# Altium PCB Fri3d_2026_CVR_00.PcbDoc
Units mm, origin at the board's own origin, x right, y up, seen from the top; angles counter-clockwise.
Board outline 91.2 x 52.4 mm, 2 copper layers (Top Layer, Bottom Layer), stack 1.571 mm thick; 20 components, 23 nets, 99 pads, 19 vias.
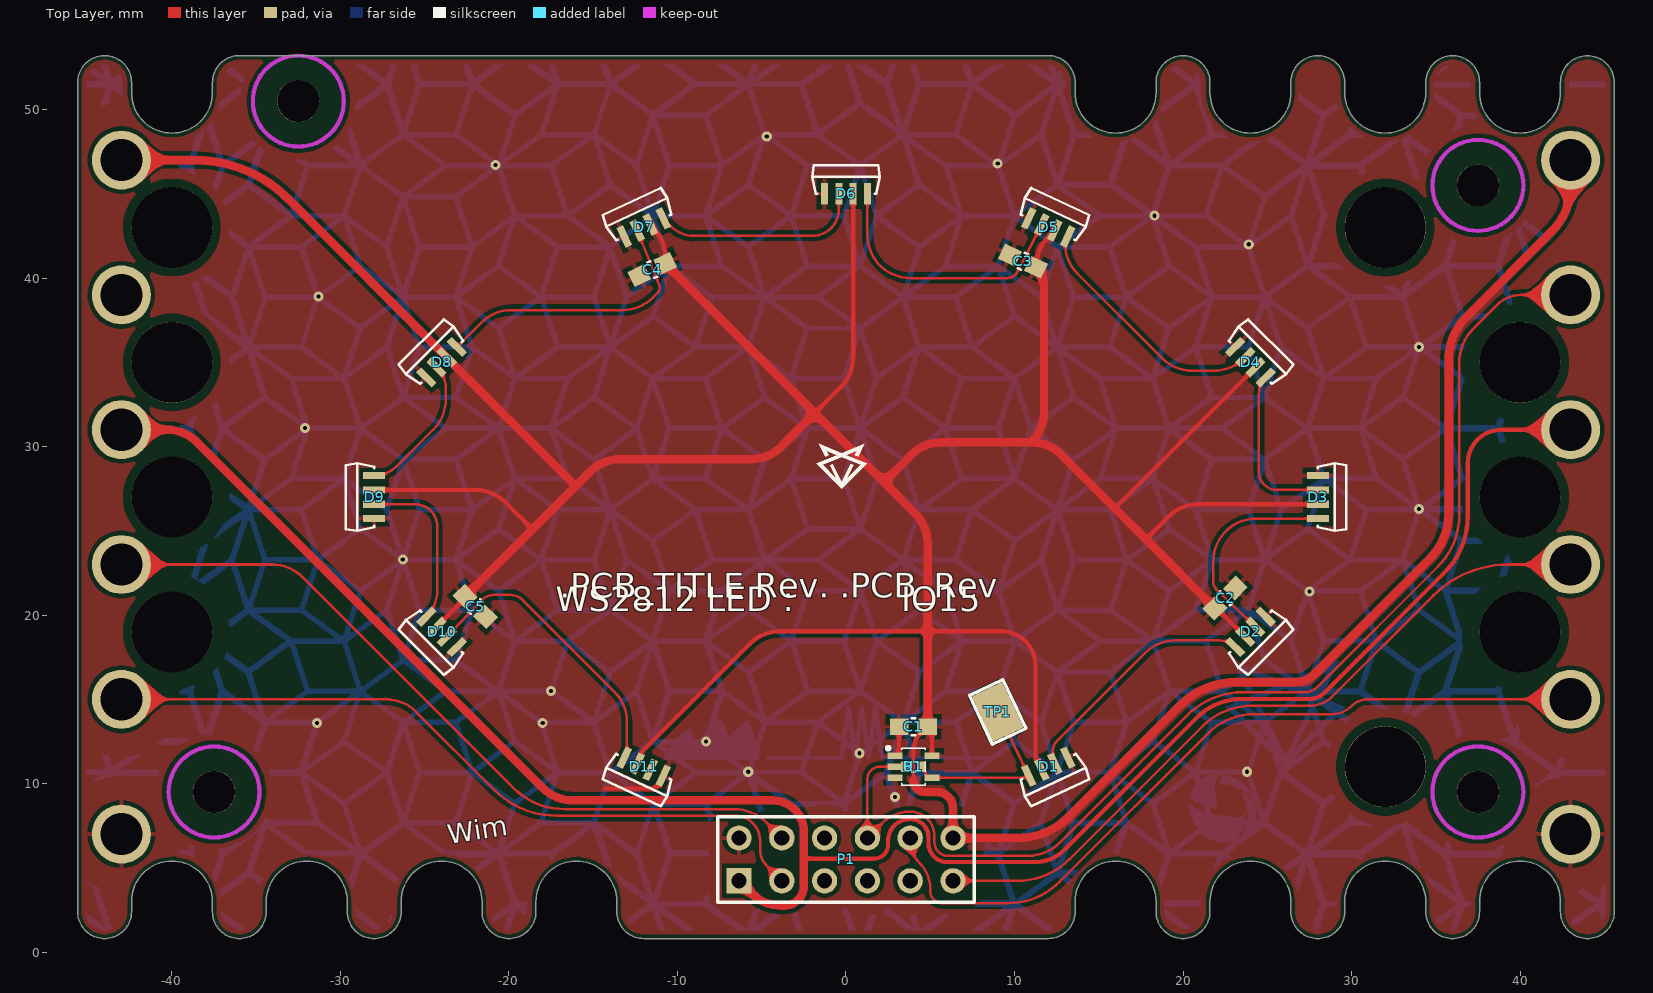
[diagram p0: Top Layer view]
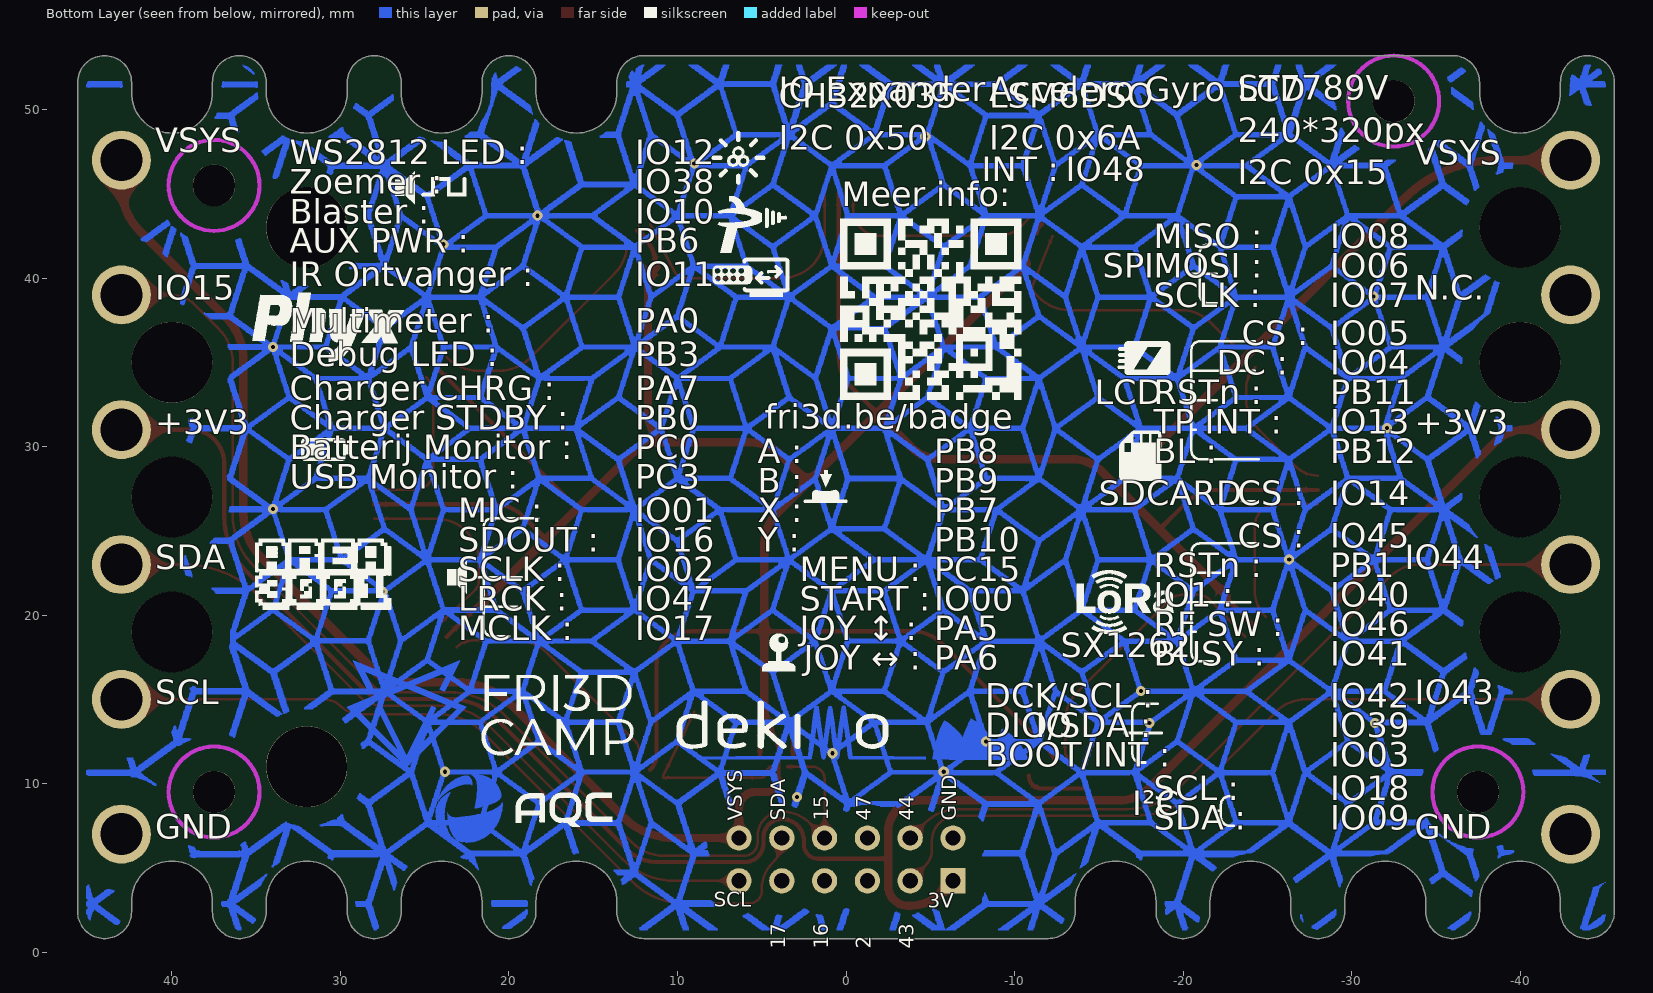
[diagram p1: Bottom Layer view, seen from below]

## Layer stack, top to bottom
Top Solder: solder mask 0.0102, Solder Resist, Dk 3.5
Top Layer: signal copper 0.0356
Dielectric1: core 1.5, FR-4, Dk 4.8
Bottom Layer: signal copper 0.0356
Bottom Solder: solder mask 0.0102, Solder Resist, Dk 3.5

## Board outline
-37.6,2.4 ccw(c-36,2.4) -34.4,2.4 -34.4,3 cw(c-32,3) -32,5.4 cw(c-32,3) -29.6,3 -29.6,2.4 ccw(c-28,2.4) -26.4,2.4 -26.4,3 cw(c-24,3) -24,5.4 cw(c-24,3) -21.6,3 -21.6,2.4 ccw(c-20,2.4) -18.4,2.4 -18.4,3 cw(c-16,3) -16,5.4 cw(c-16,3) -13.6,3 -13.6,2.4 ccw(c-12,2.4) -12,0.8 12,0.8 ccw(c12,2.4) 13.6,2.4 13.6,3 cw(c16,3) 16,5.4 cw(c16,3) 18.4,3 18.4,2.4 ccw(c20,2.4) 21.6,2.4 21.6,3 cw(c24,3) 24,5.4 cw(c24,3) 26.4,3 26.4,2.4 ccw(c28,2.4) 29.6,2.4 29.6,3 cw(c32,3) 32,5.4 cw(c32,3) 34.4,3 34.4,2.4 ccw(c36,2.4) 37.6,2.4 37.6,3 cw(c40,3) 40,5.4 cw(c40,3) 42.4,3 42.4,2.4 ccw(c44,2.4) 45.6,2.4 45.6,51.6 ccw(c44,51.6) 42.4,51.6 42.4,51 cw(c40,51) 40,48.6 cw(c40,51) 37.6,51 37.6,51.6 ccw(c36,51.6) 34.4,51.6 34.4,51 cw(c32,51) 32,48.6 cw(c32,51) 29.6,51 29.6,51.6 ccw(c28,51.6) 26.4,51.6 26.4,51 cw(c24,51) 24,48.6 cw(c24,51) 21.6,51 21.6,51.6 ccw(c20,51.6) 18.4,51.6 18.4,51 cw(c16,51) 16,48.6 cw(c16,51) 13.6,51 13.6,51.6 ccw(c12,51.6) 12,53.2 -36,53.2 ccw(c-36,51.6) -37.6,51.6 -37.6,51 cw(c-40,51) -40,48.6 cw(c-40,51) -42.4,51 -42.4,51.6 ccw(c-44,51.6) -45.6,51.6 -45.6,2.4 ccw(c-44,2.4) -42.4,2.4 -42.4,3 cw(c-40,3) -40,5.4 cw(c-40,3) -37.6,3

## Design rules (kind name [scope] priority, off if disabled: settings)
BoardOutlineClearance [NOT OnLayer('Top Overlay') AND NOT OnLayer('Bottom Overlay') AND NOT IsText AND NOT HasFootprint('MicroBIT_V2_PCB') AND NOT IsKeepOut] p1: gap=0.5 ignorepadtopadclearanceinfootprint=FALSE except(0: Arc-SplitContinuation Track-SplitContinuation SMDPad-SplitContinuation THPad-SplitContinuation Via-SplitContinuation Fill-SplitContinuation Poly-SplitContinuation Region-SplitContinuation Text-SplitContinuation; 0.15: SMDPad-OutlineEdge THPad-OutlineEdge; 0.25: Poly-OutlineEdge Region-OutlineEdge; 0.3: Arc-OutlineEdge Track-OutlineEdge; 0.4: Via-OutlineEdge)
Clearance [All] p1: gap=0.15 ignorepadtopadclearanceinfootprint=FALSE except(0.125: Region-Region; 0.25: Arc-Poly Track-Poly SMDPad-Poly THPad-Poly Via-Poly Fill-Poly Poly-Poly; 0.5: Arc-Hole Track-Hole SMDPad-Hole THPad-Hole Via-Hole Fill-Hole Poly-Hole Region-Hole Text-Hole)
ComponentClearance ComponentClearance_TP [HasFootprint('TP_2x3mm')] p1: gap=0 collisioncheckmode=3 verticalgap=0 showdistances=FALSE
ComponentClearance ComponentClearance_CO2 [InComponent('P5') OR InComponent('P8') OR InComponent('MOD2') vs InComponent('P5') OR InComponent('P8') OR InComponent('MOD2')] p2: gap=0 collisioncheckmode=3 verticalgap=0 showdistances=FALSE
ComponentClearance ComponentClearance_BAT [InComponent('P4')  OR InComponent('BAT1') OR InComponent('R27') vs InComponent('P4')  OR InComponent('BAT1') OR InComponent('R27')] p3: gap=0 collisioncheckmode=3 verticalgap=0 showdistances=FALSE
ComponentClearance ComponentClearance_R31-T5 [InComponent('R31') OR InComponent('T5') vs InComponent('R31') OR InComponent('T5')] p4: gap=0 collisioncheckmode=3 verticalgap=0 showdistances=FALSE
ComponentClearance "ComponentClearance_Selection resistors" [InComponent('R45') OR InComponent('R44') OR InComponent('R33') OR InComponent('R34') vs InComponent('R45') OR InComponent('R44') OR InComponent('R33') OR InComponent('R34')] p5: gap=0 collisioncheckmode=3 verticalgap=0 showdistances=FALSE
ComponentClearance ComponentClearance_T9-R4 [InComponent('R4') OR InComponent('T9') vs InComponent('R4') OR InComponent('T9')] p6: gap=0 collisioncheckmode=3 verticalgap=0 showdistances=FALSE
ComponentClearance ComponentClearance_IR [InComponent('D6') OR InComponent('D15') vs InComponent('D6') OR InComponent('D15')] p7: gap=0 collisioncheckmode=3 verticalgap=0 showdistances=FALSE
ComponentClearance [All] p8: gap=0.25 collisioncheckmode=3 verticalgap=0.25 showdistances=FALSE
DiffPairsRouting [All] p1: maxlimit=0.254 minlimit=0.2 mostfreqgap=0.2 toplayer_minwidth=0.25 toplayer_maxwidth=0.5 toplayer_prefwidth=0.25 bottomlayer_minwidth=0.25 bottomlayer_maxwidth=0.5 bottomlayer_prefwidth=0.25 maxuncoupledlength=12.7
HoleSize [All] p1: absolutevalues=TRUE maxlimit=20 minlimit=0.025 maxpercent=80.000 minpercent=20.000
PolygonConnect PolygonConnect_VIA [IsVia] p1: connectstyle=Direct reliefconductorwidth=0.254 reliefentries=4 polygonreliefangle="90 Angle" airgapwidth=0.254
PolygonConnect [All] p2: connectstyle=Relief reliefconductorwidth=0.254 reliefentries=4 polygonreliefangle="90 Angle" airgapwidth=0.254
RoutingVias [All] p1: holewidth=0.3 width=0.7 viastyle="Through Hole" minholewidth=0.3 minwidth=0.2 maxholewidth=0.6 maxwidth=1.2
SilkToSolderMaskClearance SilkscreenOverComponentPads [IsPad] p1: minsilkscreentomaskgap=0.254 clearancetoexposedcopper=TRUE
SolderMaskExpansion [All] p1: expansion=0.05 istentingtop=FALSE
SupplyNets "Schematic Supply Nets_2" [InNet('GND')] p1: voltage=0.000
SupplyNets "Schematic Supply Nets_1" [InNet('VSYS')] p2: voltage=0.000
SupplyNets "Schematic Supply Nets" [InNet('3V3_AUX')] p3: voltage=0.000
Width [All] p1: maxlimit=5 minlimit=0.15 preferedwidth=0.25
26 further rules are at their usual default settings.

## Components (designator, comment, footprint, x,y, rotation, side; value= is the part's Value field where it differs from the comment)
C1 "" C0603_N 4,13.369 r180 top value="100nF 16V"
C2 "CAP_CERAMIC" C0603_N 22.5,21 r45 top value="1uF 16V"
C3 "CAP_CERAMIC" C0603_N 10.5,41 r155 top value="1uF 16V"
C4 "CAP_CERAMIC" C0603_N -11.5,40.5 r205 top value="1uF 16V"
C5 "CAP_CERAMIC" C0603_N -22,20.5 r315 top value="1uF 16V"
D1 "WS2812 based digital RGB LED 4020 White package Side emitting" LED_4020_WS2812B_WHITE 12,11 r295 top value="WS218B 4020 WH RA"
D2 "WS2812 based digital RGB LED 4020 White package Side emitting" LED_4020_WS2812B_WHITE 24,19 r315 top value="WS218B 4020 WH RA"
D3 "WS2812 based digital RGB LED 4020 White package Side emitting" LED_4020_WS2812B_WHITE 28,27 r0 top value="WS218B 4020 WH RA"
D4 "WS2812 based digital RGB LED 4020 White package Side emitting" LED_4020_WS2812B_WHITE 24,35 r45 top value="WS218B 4020 WH RA"
D5 "WS2812 based digital RGB LED 4020 White package Side emitting" LED_4020_WS2812B_WHITE 12,43 r65 top value="WS218B 4020 WH RA"
D6 "WS2812 based digital RGB LED 4020 White package Side emitting" LED_4020_WS2812B_WHITE 0,45 r90 top value="WS218B 4020 WH RA"
D7 "WS2812 based digital RGB LED 4020 White package Side emitting" LED_4020_WS2812B_WHITE -12,43 r115 top value="WS218B 4020 WH RA"
D8 "WS2812 based digital RGB LED 4020 White package Side emitting" LED_4020_WS2812B_WHITE -24,35 r135 top value="WS218B 4020 WH RA"
D9 "WS2812 based digital RGB LED 4020 White package Side emitting" LED_4020_WS2812B_WHITE -28,27 r180 top value="WS218B 4020 WH RA"
D10 "WS2812 based digital RGB LED 4020 White package Side emitting" LED_4020_WS2812B_WHITE -24,19 r225 top value="WS218B 4020 WH RA"
D11 "WS2812 based digital RGB LED 4020 White package Side emitting" LED_4020_WS2812B_WHITE -12,11 r245 top value="WS218B 4020 WH RA"
P1 "Header 6X2" HDR2X6 -6.35,4.23 r0 top locked
R1 "RESISTOR" R0402 4,11 r180 top value=0R
TP1 "TEST_PAD" TP_2x3mm 9,14.25 r295 top value="NO BOM"
U1 "SN74AHCT1G125DCKR  Buffer, Tri-State, 4.5V to 5.5V" TI_DCK_R-PDSO-G5 4,11 r270 top value=SN74AHCT1G125DCKR

## Footprints (in the part's own frame and the unit in brackets; to place one, negate y for a bottom-side part, rotate by r counter-clockwise, add the part's x,y. Pads: shape width x height; smd on the part's side, far side on the other; paste and mask are expansions set on the pad)
C0603_N [mm] "Low density"
  rect 1.1x1 smd: 1(-0.85,0) 2(0.85,0)
  silkscreen extent -0.1,-0.5 0.1,0.5, body extent -0.8,-0.4 0.8,0.4, height 0.3
HDR2X6 [mm] "Connector; Header; 6x2 Position"
  rect 1.5x1.5 hole 0.9: 1(0,0)
  round 1.5 hole 0.9: 2(0,2.54) 3(2.54,0) 4(2.54,2.54) 5(5.08,0) 6(5.08,2.54) 7(7.62,0) 8(7.62,2.54) 9(10.16,0) 10(10.16,2.54) 11(12.7,0) 12(12.7,2.54)
  silkscreen extent -1.27,-1.27 13.97,3.81, body extent -1.27,-1.27 13.97,3.81, height 8.5
LED_4020_WS2812B_WHITE [mm] "4020 RGB LED WS2812B WHITE"
  rect 1.3x0.42 smd: 1(0,-1.275) 2(0,-0.425) 3(0,0.425) 4(0,1.275)
  silkscreen extent 0,-2 1.7,2, body extent -0.11,-2 1.7,2, height 2.1
R0402 [mm] "Low density"
  rect 0.5x0.6 smd: 1(-0.5,0) 2(0.5,0)
  silkscreen extent -0.1,-0.3 0.1,0.3, body extent -0.5,-0.25 0.5,0.25, height 0.35
TI_DCK_R-PDSO-G5 [mm] "TI-DCK-R-PDSO-G5"
  rect 0.4x0.9 smd: 1(-0.65,-1.1) 2(0,-1.1) 3(0.65,-1.1) 4(0.65,1.1) 5(-0.65,1.1)
  silkscreen extent -1.2,-1.6 1.1,0.7, body extent -1,-1.05 1,1.05, height 0.95
TP_2x3mm [mm] "2 x 3 mm pad"
  rrect10% 3x2 smd mask+0.03: 1(0,0)
  silkscreen extent -1.6,-1.1 1.6,1.1

## Part data
C1: library part "CAP # 100nF 16V 0603", "Capacitor Ceramic"
C2 C3 C4 C5: library part "CAP # 1uF 16V 0603", "Capacitor Ceramic", Supplier Part Number 1=2320814, Supplier 1=Farnell
D1 D2 D3 D4 D5 D6 D7 D8 D9 D10 D11: library part "LED # RGB WS2812B-4020 WH RA", "=Description", Supplier Part Number 1=C965557, Supplier 1=LCSC
P1: library part "Pin Header 2.54mm dual row 12way"
R1: library part "RES # 0R 0402", Supplier Part Number 1=2447743, Supplier 1=Farnell, Supplier 2=LCSC, Supplier 3=Generic, Supplier Part Number 2="C95177 / C15402", Supplier Part Number 3="0R 1% 0603"
TP1: library part "TP # 2x3mm", Supplier Part Number 1="FOOTPRINT ONLY", Supplier 1=XXX
U1: library part "BUF # 1 SN74AHCT1G125DCKR", "=Description", Supplier Part Number 1=C151417, Supplier 1=LCSC, Supplier 2=LCSC, Supplier Part Number 2=C350557

## Free pads (board coordinates)
  round 4.8 hole 4.8 unplated: 0(-40,19) 0(-40,27) 0(-40,35) 0(-40,43) 0(32,11) 0(32,43) 0(40,19) 0(40,27) 0(40,35)
  round 2.5 hole 2.5 unplated: 0(-37.5,9.5) 0(-32.5,50.5) 0(37.5,9.5) 0(37.5,45.5)
  round 3.5 hole 2.5: 1(-43,7) 1(-43,15) 1(-43,23) 1(-43,31) 1(-43,39) 1(-43,47) 1(43,7) 1(43,15) 1(43,23) 1(43,31) 1(43,39) 1(43,47)

## Via types
v1: diameter 0.6, hole 0.25, Top Layer to Bottom Layer, tented bottom, 19 vias

## Nets (pads, with @x,y where several pads share a name; then routed paths per layer and width w, separated by ;. In a path a pad name is that pad's centre, name@x,y a point inside that pad or via, vN(x,y) a via of type N, cw(c..) or ccw(c..) an arc to the next point about the centre after c; other vN are vias at no path point)
3V3_AUX: P1.1 pad.1@43,31 pad.1@-43,31 | length 120.7
  Top Layer w0.25: -2.5,5.542 1.658,5.542 ccw(c1.658,6.384) 2.5,6.384 2.5,6.6 cw(c3.8,6.6) 3.8,7.9 cw(c3.8,6.8) 4.9,6.8 4.9,6.45 ccw(c6.013,6.45) 6.013,5.337 11.185,5.337 ccw(c11.185,7.877) 12.981,6.081 20.79,13.89 cw(c23.516,11.163) 23.516,15.019 27.498,15.019 ccw(c27.498,16.276) 28.387,15.387 35.52,22.52 ccw(c32.189,25.851) 36.9,25.851 36.9,29 cw(c38.9,29) 38.9,31 pad.1@43,31
  Top Layer w0.5: pad.1@-43,31 -40.302,31 cw(c-40.302,28.46) -38.506,30.256 -17.994,9.744 ccw(c-16.198,11.54) -16.198,9 -4.344,9 cw(c-4.344,7.156) -2.5,7.156 -2.5,5.542 -2.5,3.928 cw(c-3.678,3.928) -3.678,2.75 -3.818,2.75 cw(c-3.818,5.29) -5.614,3.494 P1.1
ESP.IO2: P1.5
ESP.IO15: P1.8 pad.1@43,39 R1.2 U1.2 | length 70.2
  Top Layer w0.15: R1.2 U1.2 2,11 ccw(c2,10.27) 1.27,10.27 P1.8 2.152,7.652 cw(c3.8,6.005) 3.8,8.335 cw(c3.8,6.885) 5.25,6.885 5.25,6.5 ccw(c6.036,6.5) 6.036,5.714 10.812,5.714 ccw(c10.812,8.374) 12.693,6.493 20.243,14.043 cw(c23.565,10.72) 23.565,15.419 27.232,15.419 ccw(c27.232,16.473) 27.978,15.728 35.116,22.866 ccw(c32.034,25.948) 36.393,25.948 36.393,34.961 cw(c39.285,34.961) 37.24,37.007 38.655,38.421 cw(c40.052,37.024) 40.052,39 pad.1@43,39
ESP.IO16: P1.7
ESP.IO17: P1.9
ESP.IO43: P1.3 pad.1@-43,15 | length 44.1
  Top Layer w0.15: pad.1@-43,15 -27.302,15 cw(c-27.302,12.46) -25.506,14.256 -20.874,9.624 ccw(c-17.195,13.303) -17.195,8.1 -6.6,8.1 cw(c-6.6,6.6) -5.1,6.6 -5.1,6.1 ccw(c-3.7,6.1) -4.69,5.11 ; -4.69,5.11 P1.3
ESP.IO44: P1.4 pad.1@-43,23 | length 45.5
  Top Layer w0.15: pad.1@-43,23 -34.052,23 cw(c-34.052,20.46) -32.256,22.256 -19.744,9.744 ccw(c-16.703,12.785) -16.703,8.484 -6.647,8.484 cw(c-6.647,5.774) -4.73,7.69 P1.4
ESP.IO47: P1.6
GND: C1.2 C2.2 C3.2 C4.2 C5.2 D1.4 D2.4 D3.4 D4.4 D5.4 D6.4 D7.4 D8.4 D9.4 D10.4 D11.4 P1.2 pad.1@43,7 pad.1@-43,7 U1.1 U1.3 | length 5.6
  Top Layer w0.25: -14.3,9.7 -11.606,9.7 ccw(c-11.606,10.461) D11.4 ; U1.1@3.15,11.65 C1.2
  other v1: 2.9,9.2 -5.8,10.7 23.8,10.7 0.8,11.8 -8.3,12.5 -31.4,13.6 -18,13.6 -17.5,15.5 27.5,21.4 -26.3,23.3 34,26.3 -32.1,31.1 34,35.9 -31.3,38.9 23.9,42 18.3,43.7 -20.8,46.7 9,46.8 -4.7,48.4
I2C.SCL: P1.11 pad.1@43,23 | length 43.7
  Top Layer w0.15: P1.11 10.178,4.23 ccw(c10.178,8.597) 13.266,5.509 21.159,13.402 cw(c24.097,10.464) 24.097,14.619 27.557,14.619 ccw(c27.557,16.459) 28.858,15.158 34.86,21.16 cw(c39.302,16.718) 39.302,23 pad.1@43,23
I2C.SDA: P1.10 pad.1@43,15 | length 46.4
  Top Layer w0.15: P1.10 3.81,6.604 ccw(c5.654,6.604) 4.35,5.3 cw(c2.781,3.731) 5,3.731 5,3.616 ccw(c5.716,3.616) 5.716,2.9 9.598,2.9 ccw(c9.598,7.267) 12.686,4.179 21.489,12.982 cw(c24.233,10.239) 24.233,14.119 28.839,14.119 ccw(c28.839,15.761) 30,14.6 cw(c30.966,13.634) 30.966,15 pad.1@43,15
LED.D: D1.1 R1.1 TP1.1 U1.4 | length 11
  Top Layer w0.15: R1.1 4.629,10.871 cw(c4.459,10.7) 4.7,10.7 ccw(c5.05,10.7) 5.05,10.35 U1.4 10.844,10.35 D1.1 TP1.1
NetD1_3: D1.3 D2.1 | length 14.5
  Top Layer w0.15: D1.3 12.283,11.282 12.283,11.975 cw(c13.025,11.975) 12.5,12.5 17.756,17.756 cw(c19.552,15.96) 19.552,18.5 22.129,18.5 cw(c22.129,17.129) D2.1
NetD2_3: D2.3 D3.1 | length 12.6
  Top Layer w0.15: D2.3 22,21.495 cw(c22.483,21.978) 21.8,21.978 21.8,23.185 cw(c24.34,23.185) 24.34,25.725 D3.1
NetD3_3: D3.3 D4.1 | length 9.8
  Top Layer w0.15: D4.1 ccw(c25.871,33.129) 24.5,33.129 24.5,28.5 ccw(c25.575,28.5) 25.575,27.425 D3.3
NetD4_3: D4.3 D5.1 | length 14.9
  Top Layer w0.15: D5.1 ccw(c13.531,42.086) 13,42.086 13,42.052 ccw(c15.54,42.052) 13.744,40.256 18.756,35.244 ccw(c20.552,37.04) 20.552,34.5 21.847,34.5 ccw(c21.847,37.04) 23.643,35.244 D4.3
NetD5_3: D5.3 D6.1 | length 16.1
  Top Layer w0.15: D6.1 1.275,42.54 ccw(c3.815,42.54) 3.815,40 9.6,40 ccw(c9.6,40.591) 10.018,40.173 10.1,40.255 10.6,41.2 D5.3
NetD6_3: D6.3 D7.1 | length 12.6
  Top Layer w0.15: D7.1 -10.375,43.07 ccw(c-9,44.445) -9,42.5 -2,42.5 ccw(c-2,44.075) -0.425,44.075 D6.3
NetD7_3: D7.3 D8.1 | length 16.7
  Top Layer w0.15: D8.1 -21.644,37.356 cw(c-19.848,35.56) -19.848,38.1 -13.252,38.1 ccw(c-13.252,40.64) -11.456,38.844 -11.2,39.1 ccw(c-11.574,39.474) -11.045,39.474 -11.045,39.5 -11.3,40.1 D7.3@-12.254,42.492
NetD8_3: D8.3 D9.1 | length 8.6
  Top Layer w0.15: D9.1 ccw(c-28,30.146) -26.677,28.823 -24.494,31.006 ccw(c-26.29,32.802) -23.75,32.802 -23.75,33.5 ccw(c-25.317,33.5) -24.209,34.608 D8.3
NetD9_3: D9.3 D10.1 | length 10
  Top Layer w0.15: D9.3 -25.575,26.575 cw(c-25.575,25.25) -24.25,25.25 -24.25,21.475 cw(c-26.475,21.475) D10.1
NetD10_3: D10.3 D11.1 | length 17.5
  Top Layer w0.15: D10.3 -21.6,20.9 -21.583,20.917 cw(c-20.9,20.234) -20.9,21.2 -19.924,21.2 cw(c-19.924,20.176) -19.2,20.9 -13.744,15.444 cw(c-15.54,13.648) -13,13.648 -13,11.914 cw(c-13.531,11.914) D11.1
VSYS: C1.1 C2.1 C3.1 C4.1 C5.1 D1.2 D2.2 D3.2 D4.2 D5.2 D6.2 D7.2 D8.2 D9.2 D10.2 D11.2 P1.12 pad.1@43,47 pad.1@-43,47 U1.5 | length 291.9
  Top Layer w0.2: 4,10.172 4,11.878
  Top Layer w0.25: D9.2 -22.001,27.425 cw(c-22.001,24.885) -20.205,26.681 -18.613,25.089 ; D10.2 -22.601,21 C5.1 ; -16.078,27.679 ccw(c-16.039,27.718) -16.039,27.663 ; D11.2 cw(c-11.335,11.18) -12.077,11.923 -5.699,18.301 cw(c-3.903,16.505) -3.903,19.045 4.85,19.045 9.205,19.045 cw(c9.205,17) 11.25,17 11.25,11.701 ccw(c12.496,11.701) D1.2 ; D7.2 -11.474,43.038 cw(c-13.27,41.242) -10.73,41.242 C4.1 ; -1.853,31.983 -0.319,33.516 ccw(c-2.115,35.312) 0.425,35.312 D6.2 ; 4,11.878 cw(c5.884,11.878) 4.633,13.286 C1.1 5.1,13.119 U1.5 ; C3.1 11.27,40.654 cw(c13.81,40.654) 12.014,42.45 D5.2 ; 15.908,26.39 ccw(c15.908,26.592) 16.051,26.449 D4.2 ; 17.799,24.499 19.131,25.831 cw(c20.927,24.035) 20.927,26.575 D3.2 ; C2.1 cw(c21.899,20.155) 22.072,20.327 D2.2
  Top Layer w0.5: pad.1@-43,47 -38.677,47 cw(c-38.677,39.086) -33.081,44.682 D8.2 -16.078,27.679 ; C5.1 -18.613,25.089 -16.039,27.663 -15.196,28.506 cw(c-13.4,26.71) -13.4,29.25 -5.637,29.25 ccw(c-5.637,31.79) -3.841,29.994 -1.853,31.983 ; C4.1 -1.853,31.983 ; 4,10.172 ccw(c4.672,10.172) 4.672,9.5 5.4,9.5 cw(c5.4,8.55) 6.35,8.55 P1.12 10.218,6.77 ccw(c10.218,11) 13.209,8.009 19.851,14.651 cw(c23.154,11.348) 23.154,16.019 26.657,16.019 ccw(c26.657,17.618) 27.787,16.487 34.65,23.35 ccw(c31.965,26.034) 35.761,26.034 35.761,35.139 cw(c39.38,35.139) 36.821,37.698 41.886,42.762 ccw(c39.196,45.452) 43,45.452 pad.1@43,47 ; C1.1 4.85,19.045 4.85,24.228 ccw(c2.31,24.228) 4.106,26.024 2.25,27.88 ; C3.1 cw(c10.113,39.483) 11.75,39.483 11.75,32.056 cw(c9.21,32.056) 11.006,30.26 10.996,30.25 ; C2.1 17.799,24.499 15.908,26.39 12.792,29.506 ccw(c10.996,27.71) 10.996,30.25 ; -1.853,31.983 2.25,27.88 ; 2.25,27.88 3.877,29.506 cw(c5.673,27.71) 5.673,30.25 10.996,30.25
pads on no net: D11.3

## Polygon pours and split planes (outlines as drawn)
VSYS on Top Layer "NONET_L-01_P-001" (solid, remove dead copper, pour order 5): -45.6,53.2 -45.6,0.75 45.6,0.75 45.6,53.2
GND on Top Layer "NONET_L-01_P-001" (solid, remove dead copper, pour order 2): -45.6,53.2 -45.6,0.75 45.6,0.75 45.6,53.2

## Keep-outs
Keep-Out Layer:
  circle w0.25: c37.5,9.5 r2.7
  circle w0.25: c37.5,45.5 r2.7
  circle w0.25: c-32.5,50.5 r2.7
  circle w0.25: c-37.5,9.5 r2.7
  text ".Layer_Name" at 184.902,-39.311 h3.5

## Other copper
Top Layer:
  text ".Layer_Name" at 184.902,-39.311 h3.5
Bottom Layer:
  drawing of 43 lines, arcs and shapes, not listed
  text ".Layer_Name" at 184.902,-39.311 h3.5

## Silkscreen, mask and mechanical layers (free items; w line width, h text height)
Top Overlay:
  region: -1.611,30.156 -1.233,29.395 -1.04,29.472 -1.034,29.488 -1.166,29.754 -0.545,29.498 -1.738,29.007 -1.741,28.991 -0.259,27.509 1.224,28.991 1.22,29.007 0.029,29.495 0.651,29.751 0.519,29.485 0.525,29.47 0.717,29.392 1.098,30.156 1.087,30.168 -0.257,29.614 -1.6,30.168 hole: -0.257,29.379 0.848,28.924 0.116,28.192 0.465,28.89 0.459,28.905 0.267,28.983 -0.257,27.936 -0.78,28.983 -0.97,28.903 -0.976,28.888 -0.627,28.19 -1.361,28.924
  text ".PCB_TITLE Rev. .PCB_Rev" at -16.999,20.537 h2.5 r0.02
  text "WS2812 LED :" at -17.226,19.727 h2.5
  text "IO15" at 3.274,19.727 h2.5
  text "Wim" at -23.5,6 h2 r9
  text ".Layer_Name" at 184.902,-39.311 h3.5
Bottom Overlay:
  drawing of 166 lines, arcs and shapes, not listed
  text "LCD" at -23.25,50 h2.5
  text "Accelero Gyro" at -8.5,50 h2.5
  text "IO Expander" at 4,50 h2.5
  text "LSM6DSO / I2C 0x6A" at -8.5,47.112 h2.5
  text "CH32X035 / I2C 0x50" at 4,47.112 h2.5
  text "VSYS" at 41,46.965 h2.5
  text "IO12" at 12.5,46.24 h2.5
  text "WS2812 LED :" at 33,46.24 h2.5
  text "VSYS" at -33.75,46.215 h2.5
  text "IO48" at -13.05,45.25 h2.5
  text "INT :" at -8.05,45.25 h2.5
  text "ST7789V / 240*320px / I2C 0x15" at -23.25,45.067 h2.5
  text "IO38" at 12.5,44.491 h2.5
  text "Zoemer :" at 33,44.491 h2.5
  text "Meer info:" at 0.25,43.75 h2.5
  text "IO10" at 12.5,42.708 h2.5
  text "Blaster :" at 33,42.708 h2.5
  text "IO08" at -28.75,41.25 h2.5
  text "MISO :" at -18.25,41.25 h2.5
  text "PB6" at 12.5,41 h2.5
  text "AUX PWR :" at 33,41 h2.5
  text "IO06" at -28.75,39.5 h2.5
  text "MOSI :" at -18.25,39.5 h2.5
  text "SPI" at -15.25,39.5 h2.5
  text "IO11" at 12.5,39 h2.5
  text "IR Ontvanger :" at 33,39 h2.5
  text "N.C." at -33.75,38.215 h2.5
  text "IO15" at 41,38.215 h2.5
  text "IO07" at -28.75,37.75 h2.5
  text "SCLK :" at -18.25,37.75 h2.5
  text "PA0" at 12.5,36.25 h2.5
  text "Multimeter :" at 33,36.25 h2.5
  text "IO05" at -28.75,35.5 h2.5
  text "CS :" at -23.5,35.5 h2.5
  text "PB3" at 12.5,34.25 h2.5
  text "Debug LED :" at 33,34.25 h2.5
  text "IO04" at -28.75,33.75 h2.5
  text "DC :" at -22,33.75 h2.5
  text "PA7" at 12.5,32.25 h2.5
  text "Charger CHRG :" at 33,32.25 h2.5
  text "PB11" at -28.75,32 h2.5
  text "RSTn :" at -18.25,32 h2.5
  text "LCD" at -14.75,32 h2.5
  text "fri3d.be/badge" at 4.818,30.559 h2.5
  text "PB0" at 12.5,30.5 h2.5
  text "Charger STDBY :" at 33,30.5 h2.5
  text "IO13" at -28.75,30.25 h2.5
  text "TP INT :" at -18.25,30.25 h2.5
  text "+3V3" at -33.75,30.215 h2.5
  text "+3V3" at 41,30.215 h2.5
  text "PC0" at 12.5,28.75 h2.5
  text "Batterij Monitor :" at 33,28.75 h2.5
  text "PB12" at -28.75,28.5 h2.5
  text "BL :" at -18.25,28.5 h2.5
  text "PB8" at -5.25,28.5 h2.5
  text "A :" at 5.25,28.5 h2.5
  text "PC3" at 12.5,27 h2.5
  text "USB Monitor :" at 33,27 h2.5
  text "PB9" at -5.25,26.75 h2.5
  text "B :" at 5.25,26.75 h2.5
  text "IO14" at -28.75,26 h2.5
  text "CS :" at -23.25,26 h2.5
  text "SDCARD" at -15,26 h2.5
  text "PB7" at -5.25,25 h2.5
  text "X :" at 5.25,25 h2.5
  text "IO01" at 12.5,25 h2.5
  text "MIC :" at 23,25 h2.5
  text "IO45" at -28.75,23.5 h2.5
  text "CS :" at -23.25,23.5 h2.5
  text "PB10" at -5.25,23.25 h2.5
  text "Y :" at 5.25,23.25 h2.5
  text "IO16" at 12.5,23.25 h2.5
  text "SDOUT :" at 23,23.25 h2.5
  text "IO44" at -33.155,22.215 h2.5
  text "SDA" at 41,22.215 h2.5
  text "PB1" at -28.75,21.75 h2.5
  text "RSTn :" at -18.25,21.75 h2.5
  text "PC15" at -5.25,21.5 h2.5
  text "MENU :" at 2.75,21.5 h2.5
  text "IO02" at 12.5,21.5 h2.5
  text "SCLK :" at 23,21.5 h2.5
  text "IO40" at -28.75,20 h2.5
  text "IO1 :" at -18.25,20 h2.5
  text "IO00" at -5.25,19.75 h2.5
  text "START :" at 2.75,19.75 h2.5
  text "IO47" at 12.5,19.75 h2.5
  text "LRCK :" at 23,19.75 h2.5
  text "IO46" at -28.75,18.25 h2.5
  text "RF SW :" at -18.25,18.25 h2.5
  text "PA5" at -5.25,18 h2.5
  text "JOY ↕ :" at 2.75,18 h2.5
  text "IO17" at 12.5,18 h2.5
  text "MCLK :" at 23,18 h2.5
  text "SX1262" at -12.75,17 h2.5
  text "IO41" at -28.75,16.5 h2.5
  text "BUSY :" at -18.25,16.5 h2.5
  text "PA6" at -5.25,16.25 h2.5
  text "JOY ↔ :" at 2.5,16.25 h2.5
  text "IO43" at -33.75,14.215 h2.5
  text "SCL" at 41,14.215 h2.5
  text "IO42" at -28.75,14 h2.5
  text "DCK/SCL :" at -8.25,14 h2.5
  text "IO39" at -28.75,12.25 h2.5
  text "IO" at -11.25,12.25 h2.5
  text "DIO/SDA :" at -8.25,12.25 h2.5
  text "IO03" at -28.75,10.5 h2.5
  text "BOOT/INT :" at -8.25,10.5 h2.5
  text "IO18" at -28.75,8.5 h2.5
  text "SCL :" at -18.25,8.5 h2.5
  text "GND" at -6.85,7.79 h1.5 r270
  text "44" at -4.31,7.79 h1.5 r270
  text "47" at -1.77,7.79 h1.5 r270
  text "15" at 0.77,7.79 h1.5 r270
  text "SDA" at 3.31,7.79 h1.5 r270
  text "VSYS" at 5.85,7.79 h1.5 r270
  text "I²C" at -17,7.625 h2.5
  text "IO09" at -28.75,6.75 h2.5
  text "SDA :" at -18.25,6.75 h2.5
  text "GND" at -33.75,6.215 h2.5
  text "GND" at 41,6.215 h2.5
  text "SCL" at 7.85,2.38 h1.5
  text "3V" at -4.85,2.33 h1.5
  text "43" at -4.31,0.21 h1.5 r270
  text "2" at -1.77,0.21 h1.5 r270
  text "16" at 0.77,0.21 h1.5 r270
  text "17" at 3.31,0.21 h1.5 r270
  text ".Layer_Name" at 184.902,-39.311 h3.5
Top Paste:
  text ".Layer_Name" at 184.902,-39.311 h3.5
Bottom Paste:
  text ".Layer_Name" at 184.902,-39.311 h3.5
Top Solder:
  text ".Layer_Name" at 184.902,-39.311 h3.5
Bottom Solder:
  text ".Layer_Name" at 184.902,-39.311 h3.5
Drill Guide:
  text ".Layer_Name" at 184.902,-39.311 h3.5
Mechanical 1:
  circle w0.1: c37.5,45.5 r3
  circle w0.1: c1.27,4.23 r1.5
  circle w0.1: c3.81,4.23 r1.5
  circle w0.1: c6.35,4.23 r1.5
  circle w0.1: c6.35,6.77 r1.5
  circle w0.1: c3.81,6.77 r1.5
  circle w0.1: c1.27,6.77 r1.5
  circle w0.1: c-1.27,6.77 r1.5
  circle w0.1: c-1.27,4.23 r1.5
  circle w0.1: c-3.81,4.23 r1.5
  circle w0.1: c-6.35,4.23 r1.5
  circle w0.1: c-6.35,6.77 r1.5
  circle w0.1: c-3.81,6.77 r1.5
  circle w0.1: c-43,7 r3
  circle w0.1: c-37.5,9.5 r3
  circle w0.1: c-43,15 r3
  circle w0.1: c-40,19 r3
  circle w0.1: c-43,23 r3
  circle w0.1: c-40,27 r3
  circle w0.1: c-43,31 r3
  circle w0.1: c-40,35 r3
  circle w0.1: c-43,39 r3
  circle w0.1: c-40,43 r3
  circle w0.1: c-43,47 r3
  circle w0.1: c-32.5,50.5 r3
  circle w0.1: c32,43 r3
  circle w0.1: c43,47 r3
  circle w0.1: c43,39 r3
  circle w0.1: c40,35 r3
  circle w0.1: c43,31 r3
  circle w0.1: c40,27 r3
  circle w0.1: c43,23 r3
  circle w0.1: c40,19 r3
  circle w0.1: c43,15 r3
  circle w0.1: c43,7 r3
  circle w0.1: c37.5,9.5 r3
  circle w0.1: c32,11 r3
  lines w0.1: -45.6,2.4 ccw(c-44,2.4) -42.4,2.4 -42.4,3 cw(c-40,3) -40,5.4 cw(c-40,3) -37.6,3 -37.6,2.4 ccw(c-36,2.4) -34.4,2.4 -34.4,3 cw(c-32,3) -32,5.4 cw(c-32,3) -29.6,3 -29.6,2.4 ccw(c-28,2.4) -26.4,2.4 -26.4,3 cw(c-24,3) -24,5.4 cw(c-24,3) -21.6,3 -21.6,2.4 ccw(c-20,2.4) -18.4,2.4 -18.4,3 cw(c-16,3) -16,5.4 cw(c-16,3) -13.6,3 -13.6,2.4 ccw(c-12,2.4) -12,0.8 12,0.8 ccw(c12,2.4) 13.6,2.4 13.6,3 cw(c16,3) 16,5.4 cw(c16,3) 18.4,3 18.4,2.4 ccw(c20,2.4) 21.6,2.4 21.6,3 cw(c24,3) 24,5.4 cw(c24,3) 26.4,3 26.4,2.4 ccw(c28,2.4) 29.6,2.4 29.6,3 cw(c32,3) 32,5.4 cw(c32,3) 34.4,3 34.4,2.4 ccw(c36,2.4) 37.6,2.4 37.6,3 cw(c40,3) 40,5.4 cw(c40,3) 42.4,3 42.4,2.4 ccw(c44,2.4) 45.6,2.4 45.6,51.6 ccw(c44,51.6) 42.4,51.6 42.4,51 cw(c40,51) 40,48.6 cw(c40,51) 37.6,51 37.6,51.6 ccw(c36,51.6) 34.4,51.6 34.4,51 cw(c32,51) 32,48.6 cw(c32,51) 29.6,51 29.6,51.6 ccw(c28,51.6) 26.4,51.6 26.4,51 cw(c24,51) 24,48.6 cw(c24,51) 21.6,51 21.6,51.6 ccw(c20,51.6) 18.4,51.6 18.4,51 cw(c16,51) 16,48.6 cw(c16,51) 13.6,51 13.6,51.6 ccw(c12,51.6) 12,53.2 -36,53.2 ccw(c-36,51.6) -37.6,51.6 -37.6,51 cw(c-40,51) -40,48.6 cw(c-40,51) -42.4,51 -42.4,51.6 ccw(c-44,51.6) -45.6,51.6 -45.6,2.4
3D Symbols:
  text ".Layer_Name" at 184.902,-39.311 h3.5
Board Outline:
  the board outline again, w0.1
Comments:
  text ".Layer_Name" at 184.902,-39.311 h3.5
Fabrication:
  text "Black Solder Mask" at -111,-7.5 h1.5
  text "Light Green Silkscreen RGB #3CE8B3" at -111,-10.5 h1.5
  text "1.6mm Thickness" at -111,-16.5 h1.5
  text ".Layer_Name" at 184.902,-39.311 h3.5
Top Placebound:
  text ".Layer_Name" at 184.902,-39.311 h3.5
Bottom Placebound:
  text ".Layer_Name" at 184.902,-39.311 h3.5
Frame:
  drawing of 15 lines, arcs and shapes, not listed
  text "Document" at 180.402,-24.311 h2
  text ".PCB_TITLE" at 181.902,-29.811 h3.2
  text "Layer Name" at 180.402,-34.311 h2
  text "Date" at 180.402,-44.311 h2
  text "Rev" at 220.402,-44.311 h2
  text ".Print_Date" at 183.402,-49.811 h3.5
  text ".PCB_REV" at 224.902,-49.811 h4
  text "Desginer" at 130.402,-54.311 h2
  text "Document" at 180.402,-54.311 h2
  text ".Pcb_File_Name_No_Path" at 181.902,-59.311 h1.5
  text ".PCB_ENGINEER" at 134.902,-59.811 h4
Top Assembly:
  text ".Layer_Name" at 184.902,-39.311 h3.5
Bottom Assembly:
  text ".Layer_Name" at 184.902,-39.311 h3.5
Drill Drawing:
  circle w0.15: c82.744,32.91 r0.444
  lines w0.15: 81.497,23.866 207.249,23.866 ; 81.497,33.866 207.249,33.866 ; 88.895,21.866 88.895,35.866 ; 96.126,21.866 96.126,35.866 ; 111.489,21.866 111.489,35.866 ; 118.287,21.866 118.287,35.866 ; 128.124,21.866 128.124,35.866 ; 148.152,21.866 148.152,35.866 ; 156.07,21.866 156.07,35.866 ; 166.067,21.866 166.067,35.866 ; 176.897,21.866 176.897,35.866 ; 188.494,21.866 188.494,35.866 ; 81.497,21.866 207.249,21.866 207.249,35.866 81.497,35.866 81.497,21.866 ; 82.299,24.466 82.744,24.688 83.188,24.466 82.966,24.91 83.188,25.355 82.744,25.132 82.299,25.355 82.521,24.91 82.299,24.466 ; 82.299,27.355 83.188,27.355 82.744,26.466 82.299,27.355 ; 82.299,28.466 83.188,28.466 83.188,29.355 82.299,29.355 82.299,28.466 ; 82.299,30.688 82.521,30.688 82.744,30.466 82.966,30.688 83.188,30.688 82.966,30.91 83.188,31.132 82.966,31.132 82.744,31.355 82.521,31.132 82.299,31.132 82.521,30.91 82.299,30.688
  text "Symbol" at 82.697,34.466 h0.96
  text "Count" at 89.495,34.466 h0.96
  text "Hole Size" at 96.726,34.466 h0.96
  text "Plated" at 112.089,34.466 h0.96
  text "Hole Type" at 118.887,34.466 h0.96
  text "Drill Layer Pair" at 128.724,34.466 h0.96
  text "Via/Pad" at 148.752,34.466 h0.96
  text "Pad Shape" at 156.67,34.466 h0.96
  text "Template" at 166.667,34.466 h0.96
  text "Hole Length" at 177.497,34.466 h0.96
  text "Routed Path Length" at 189.094,34.466 h0.96
  text "4" at 89.495,32.466 h0.8
  text "2.500mm (98.43mil)" at 96.726,32.466 h0.8
  text "NPTH" at 112.089,32.466 h0.8
  text "Round" at 118.887,32.466 h0.8
  text "Top Layer - Bottom Layer" at 128.724,32.466 h0.8
  text "Pad" at 148.752,32.466 h0.8
  text "Rounded" at 156.67,32.466 h0.8
  text "c250hn250" at 166.667,32.466 h0.8
  text "-" at 177.497,32.466 h0.8
  text "-" at 189.094,32.466 h0.8
  text "9" at 89.495,30.466 h0.8
  text "4.800mm (188.98mil)" at 96.726,30.466 h0.8
  text "NPTH" at 112.089,30.466 h0.8
  text "Round" at 118.887,30.466 h0.8
  text "Top Layer - Bottom Layer" at 128.724,30.466 h0.8
  text "Pad" at 148.752,30.466 h0.8
  text "Rounded" at 156.67,30.466 h0.8
  text "c480hn480" at 166.667,30.466 h0.8
  text "-" at 177.497,30.466 h0.8
  text "-" at 189.094,30.466 h0.8
  text "12" at 89.495,28.466 h0.8
  text "0.900mm (35.43mil)" at 96.726,28.466 h0.8
  text "PTH" at 112.089,28.466 h0.8
  text "Round" at 118.887,28.466 h0.8
  text "Top Layer - Bottom Layer" at 128.724,28.466 h0.8
  text "Pad" at 148.752,28.466 h0.8
  text "(Mixed)" at 156.67,28.466 h0.8
  text "(Mixed)" at 166.667,28.466 h0.8
  text "-" at 177.497,28.466 h0.8
  text "-" at 189.094,28.466 h0.8
  text "12" at 89.495,26.466 h0.8
  text "2.500mm (98.43mil)" at 96.726,26.466 h0.8
  text "PTH" at 112.089,26.466 h0.8
  text "Round" at 118.887,26.466 h0.8
  text "Top Layer - Bottom Layer" at 128.724,26.466 h0.8
  text "Pad" at 148.752,26.466 h0.8
  text "Rounded" at 156.67,26.466 h0.8
  text "c350h250" at 166.667,26.466 h0.8
  text "-" at 177.497,26.466 h0.8
  text "-" at 189.094,26.466 h0.8
  text "19" at 89.495,24.466 h0.8
  text "0.250mm (9.84mil)" at 96.726,24.466 h0.8
  text "PTH" at 112.089,24.466 h0.8
  text "Round" at 118.887,24.466 h0.8
  text "Top Layer - Bottom Layer" at 128.724,24.466 h0.8
  text "Via" at 148.752,24.466 h0.8
  text "Rounded" at 156.67,24.466 h0.8
  text "v60h25m45mx0" at 166.667,24.466 h0.8
  text "-" at 177.497,24.466 h0.8
  text "-" at 189.094,24.466 h0.8
  text "56 Total" at 89.495,22.466 h0.8
  text ".Layer_Name" at 184.902,-39.311 h3.5
Panel:
  text ".Layer_Name" at 184.902,-39.311 h3.5

## Dimensions
-45.5,54 to -46,1 on Fabrication
-45.6,2.4 to 45.6,2.4 on Fabrication